# Altium PCB HORNET-1-IPG.PcbDoc (part 7 of 8)
Units mm, origin at the board's own origin, x right, y up, seen from the top; angles counter-clockwise.
Board outline 91.44 x 90.73 mm, 8 copper layers (TOP, AVERT, AHOR, GND, POWER, DVERT, DHOR, BOT), stack 0.686 mm thick; 726 components, 412 nets, 2077 pads, 2674 vias.
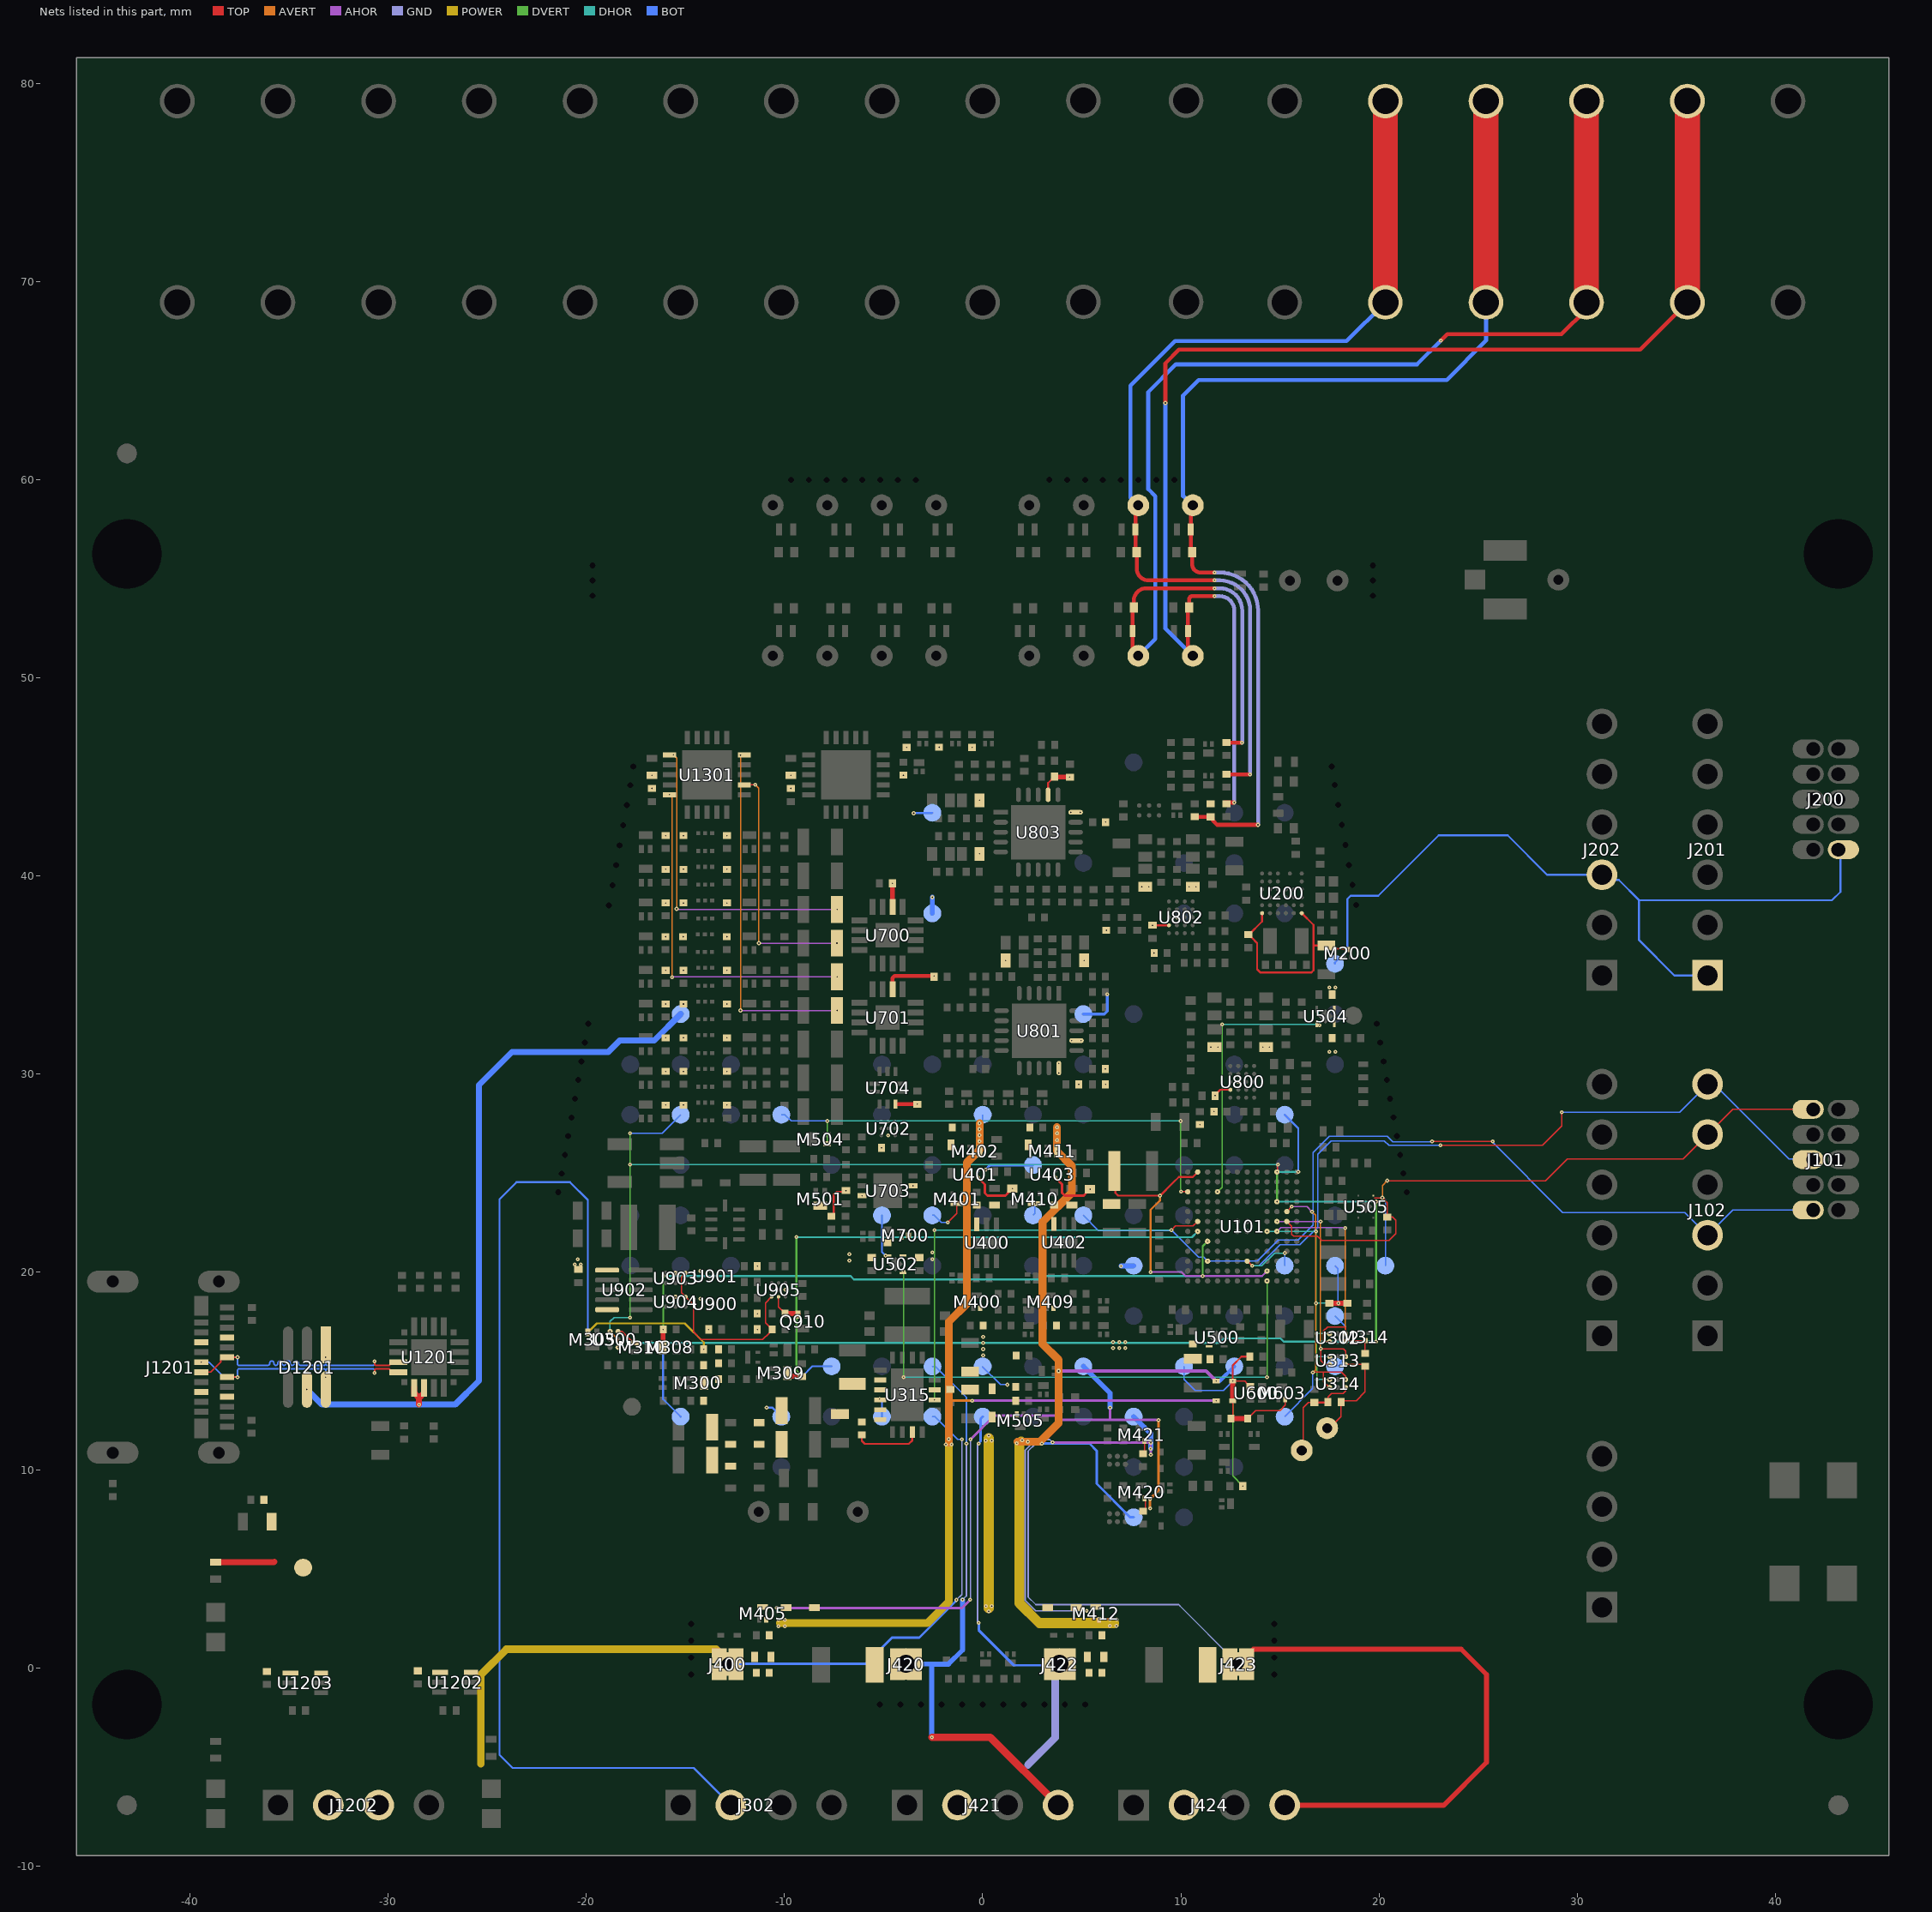
[diagram p13: the nets of this part, all layers, seen from the top]

## Via types
v1: diameter 0.2, hole 0.07, TOP to GND, tented top, 631 vias
v2: diameter 0.2, hole 0.07, GND to BOT, tented bottom, 276 vias
v3: diameter 0.2, hole 0.07, TOP to AHOR, tented top, 245 vias
v4: diameter 0.2, hole 0.07, TOP to BOT, tented top, 216 vias
v5: diameter 0.2, hole 0.07, TOP to POWER, tented top, 159 vias
v6: diameter 0.2, hole 0.07, TOP to DHOR, tented top, 156 vias
v7: diameter 0.2, hole 0.07, DHOR to BOT, tented bottom, 134 vias
v8: diameter 0.2, hole 0.07, TOP to AVERT, tented top, 129 vias
v9: diameter 0.2, hole 0.07, TOP to DVERT, tented top, 111 vias
v10: diameter 0.2, hole 0.07, AVERT to AHOR, 100 vias
v11: diameter 0.2, hole 0.07, DVERT to DHOR, 89 vias
v12: diameter 0.2, hole 0.07, DVERT to DHOR, tented both sides, 86 vias
v13: diameter 0.2, hole 0.07, AHOR to GND, 81 vias
v14: diameter 0.2, hole 0.07, TOP to AVERT, tented both sides, 47 vias
v15: diameter 0.2, hole 0.07, AVERT to AHOR, tented both sides, 39 vias
v16: diameter 0.2/0.2/0.2/0.2 (per signal layer), hole 0.07, TOP to GND, tented both sides, 35 vias
v17: diameter 0.2, hole 0.07, GND to POWER, 28 vias
v18: diameter 0.2, hole 0.07, POWER to DVERT, 22 vias
v19: diameter 0.2, hole 0.07, TOP to BOT, tented both sides, 21 vias
v20: diameter 0.2, hole 0.07, TOP to POWER, tented both sides, 17 vias
v21: diameter 0.2, hole 0.07, TOP to BOT, tented bottom, 12 vias
v22: diameter 0.2, hole 0.07, GND to BOT, tented both sides, 9 vias
v23: diameter 0.2/0.2/0/0.2/0/0/0/0.2 (per signal layer), hole 0.07, TOP to BOT, tented both sides, 7 vias
v24: diameter 0.2/0/0/0/0.2 (per signal layer), hole 0.07, TOP to POWER, tented top, 5 vias
v25: diameter 0.2, hole 0.07, TOP to DVERT, 4 vias
v26: diameter 0.2, hole 0.07, TOP to AHOR, tented both sides, 3 vias
v27: diameter 0.2/0.2/0/0.2/0/0.2/0/0.2 (per signal layer), hole 0.07, TOP to BOT, tented both sides, 2 vias
v28: diameter 0.2, hole 0.07, TOP to GND, tented both sides, 1 vias
v29: diameter 0.2, hole 0.07, AHOR to GND, tented bottom, 1 vias
v30: diameter 0/0 (per signal layer), hole 0.07, GND to POWER, 1 vias
v31: diameter 0.2/0 (per signal layer), hole 0.07, AVERT to AHOR, 1 vias
v32: diameter 0/0 (per signal layer), hole 0.07, AHOR to GND, 1 vias
v33: diameter 0/0 (per signal layer), hole 0.07, POWER to DVERT, 1 vias
v34: diameter 0/0 (per signal layer), hole 0.07, DVERT to DHOR, 1 vias
v35: diameter 0/0.2 (per signal layer), hole 0.07, DHOR to BOT, tented bottom, 1 vias
v36: diameter 0.2, hole 0.07, AVERT to AHOR, tented top, 1 vias
v37: diameter 0.2/0/0/0.2/0/0/0/0.2 (per signal layer), hole 0.07, TOP to BOT, tented both sides, 1 vias

## Nets (pads, with @x,y where several pads share a name; then routed paths per layer and width w, separated by ;. In a path a pad name is that pad's centre, name@x,y a point inside that pad or via, vN(x,y) a via of type N, cw(c..) or ccw(c..) an arc to the next point about the centre after c; other vN are vias at no path point) (continued)
SWDIO: J101.2 J102.3 TP101.1 U101.C10 | length 48.2
  TOP w0.06: v6(22.677,26.586) v6(25.732,26.586) v6(22.677,26.586)
  BOT w0.06: TP101.1@5.08,22.86 5.842,22.098 9.546,22.098 9.6,22.044 10.9,20.744 11.156,20.744 v7(11.35,20.55) 13.858,20.55 14.918,21.61 15.913,21.61 16.669,22.366 16.669,26.03 17.494,26.855 20.425,26.855 20.702,26.578 21.509,26.578 22.669,26.578 v6(22.677,26.586) ; v6(25.732,26.586) 25.732,26.543 29.275,23 35.44,23 J102.3@36.58,21.86 37.85,23.13 J101.2@41.91,23.13
  other v6: 11.35,20.55
  other v7: 22.677,26.586 25.732,26.586
SWO: J101.6 J102.6 TP108.1 U101.C6 | length 39.1
  TOP w0.06: U101.C6@13.35,20.55 13.358,20.55 v7(13.594,20.314) ; v7(23.098,26.391) 28.245,26.391 29.227,27.373 v7(29.227,28.07)
  DHOR w0.06: v7(13.594,20.314) 14.078,20.314 14.719,20.955 v7(15.24,20.955)
  BOT w0.06: v7(13.594,20.314) 13.956,20.314 15.016,21.374 16.011,21.374 16.905,22.269 16.905,25.932 17.592,26.619 20.268,26.619 20.496,26.391 21.509,26.391 21.7,26.391 v7(23.098,26.391) ; TP108.1@15.24,20.32 v7(15.24,20.955) ; v7(29.227,28.07) 35.17,28.07 J102.6@36.58,29.48 J102.6@36.67,29.48 ; J102.6@36.92,29.48 40.7,25.7 41.88,25.7 J101.6@41.91,25.67
  other v6: 13.594,20.314 23.098,26.391 29.227,28.07
SYS_RSTn: J101.10 J102.5 R100.2 TP512.1 U101.G2 U505.1 | length 36.4
  TOP w0.06: U101.G2@15.35,22.55 15.593,22.307 15.593,21.907 15.7,21.8 16.9,21.8 17.1,21.6 20.5,21.6 20.84,21.94 20.84,22.61 20.669,22.78 R100.2@20.417,22.78 20.417,23.499 v10(20.168,23.749) 20.145,23.726 19.764,23.726 ; v8(20.422,24.613) 20.434,24.6 28.4,24.6 29.5,25.7 35.34,25.7 J102.5@36.58,26.94 37.85,28.21 J101.10@41.91,28.21
  AVERT w0.06: v10(20.168,23.749) 20.168,24.359 v8(20.422,24.613)
  BOT w0.06: v10(20.168,23.749) 20.32,23.597 TP512.1@20.32,20.32
  other v7: 20.168,23.749
  other v8: 20.168,23.749
  other v11: 20.168,23.749
  other v13: 20.168,23.749
  other v17: 20.168,23.749
  other v18: 20.168,23.749
TEMP_EN: R336.1 R337.2 TP314.1 U101.F4 U302.A2 U313.A2 U314.A2 | length 16
  TOP w0.254: R337.2@17.5,18.425 v7(17.954,18.425) R336.1@18.4,18.425
  DVERT w0.06: v12(16.83,22.05) v11(16.83,18.425) 16.83,16.938 16.849,16.918 16.83,16.899 16.849,16.879 v11(16.849,15.732) 16.83,15.713 16.866,15.677 v12(16.866,14.573)
  DHOR w0.06: v6(14.35,22.05) v12(16.83,22.05) ; v11(16.83,18.425) v7(17.954,18.425) ; v11(16.849,15.732) v6(17.517,15.732) ; v11@16.849,16.918 16.876,16.891 v11(17.508,16.891) ; v12(16.866,14.573) v6(17.51,14.573)
  BOT w0.06: TP314.1@17.78,20.32 17.927,20.173 17.927,18.452 v7(17.954,18.425)
  other v9: 17.508,16.891 17.954,18.425
  other v11: 16.849,16.891 17.954,18.425
THERM.OFST: TP320.1 U101.H2 U314.A1 U314.C2 | length 15.4
  TOP w0.06: U101.H2@15.35,23.05 15.35,23.054 15.593,23.296 v3(15.593,23.3) ; v6(16.662,14.935) 16.673,14.945 17.196,14.945 ; U314.A1@17.51,14.173 17.5,14.173 17.196,14.478 17.196,14.945 ; v3(18.31,14.573) 18.31,14.729 18.094,14.945 17.196,14.945
  AHOR w0.06: v3(15.593,23.3) 16.367,23.3 v15(16.617,23.05)
  AVERT w0.06: v15(16.617,23.05) 16.796,22.871 16.796,15.069 v6(16.662,14.935)
  BOT w0.06: TP320.1@15.24,12.7 16.662,14.122 v6(16.662,14.935)
  other v7: 16.662,14.935
THERM.OUT: TP319.1 U101.G3 U313.A1 U313.C2 | length 12.2
  TOP w0.06: U313.A1@17.517,15.332 17.498,15.351 17.259,15.351 17.067,15.543 v3(17.067,16.132) 17.086,16.113 18.216,16.113 18.317,16.012 v6(18.317,15.732)
  AHOR w0.06: v3(14.85,22.55) v15(17.05,22.55)
  AVERT w0.06: v3@17.05,16.132 v15(17.05,22.55)
  BOT w0.06: TP319.1@17.78,15.24 17.813,15.273 18.036,15.273 18.036,15.451 v6(18.317,15.732)
  other v7: 18.317,15.732
THERM.REF: TP316.1 U101.F3 U302.A1 U302.C2 | length 12.3
  TOP w0.06: v3(17.508,16.488) 17.292,16.488 17.2,16.58 17.2,17.024 17.401,17.225 18.308,17.225 v6(18.308,16.888)
  AHOR w0.06: v3(14.85,22.05) 15.048,22.248 16.6,22.248 18.195,22.248 18.197,22.247 18.273,22.247 v15(18.3,22.22)
  AVERT w0.06: v6@18.3,16.888 v15(18.3,22.22)
  BOT w0.06: TP316.1@17.78,17.78 18.308,17.252 v6(18.308,16.888)
  other v7: 18.308,16.888
THERM_IN: C304.2 J303.1 R348.2 U313.C1 | length 5.3
  TOP w0.06: J303.1@17.5,12.146 17.528,12.146 18.085,12.703 C304.2@18.085,13.437 18.144,13.496 18.85,13.496 19.3,13.946 R348.2@19.3,15.244 19.212,15.332 U313.C1@18.317,15.332
THERM_OFST_IN: C304.1 J304.1 R356.1 U314.C1 | length 5
  TOP w0.06: J304.1@16.1,11 16.18,11.08 16.18,13.165 16.431,13.416 R356.1@16.739,13.416 ; C304.1@17.425,13.437 17.425,13.703 17.595,13.873 18.188,13.873 18.31,13.995 U314.C1@18.31,14.173
  TOP w0.1: R356.1@16.739,13.416 17.404,13.416 C304.1@17.425,13.437
THERM_REF_IN: M314.3 R348.1 U302.C1 | length 1.8
  TOP w0.06: U302.C1@18.308,16.488 18.352,16.533 18.933,16.533 18.935,16.535 M314.3@19.3,16.535 R348.1@19.3,15.894 R348.1@19.3,15.746
USB_N: D1201.6 J1201.A7 J1201.B7 U1201.5 | length 12
  TOP w0.079: J1201.A7@-38.129,14.699 v19(-37.601,14.699) ; v19(-30.683,14.91) -30.683,15.064 -30.637,15.11 -30.133,15.11 -29.947,15.11 -29.901,15.064 -29.901,15.061 -29.79,14.95 U1201.5@-29.49,14.95
  BOT w0.079: v21(-39.43,15.45) -39.043,15.45 -38.291,14.699 -37.601,14.699 -37.601,15.063 -37.554,15.109 -35.391,15.109 ; -35.39,15.11 -33.196,15.11 -33.15,15.064 ; v21(-33.15,14.7) -33.15,15.064 ; v19(-30.683,14.91) -30.683,15.064 -30.729,15.11 -31.932,15.11 -33.104,15.11 -33.15,15.064
USB_P: D1201.1 J1201.A6 J1201.B6 U1201.4 | length 12.6
  TOP w0.079: J1201.B6@-39.43,14.95 -38.962,14.95 -38.441,15.471 -38.441,15.589 -38.33,15.7 J1201.A6@-38.13,15.7 v19(-37.6,15.7) ; v19(-30.683,15.49) -30.683,15.336 -30.637,15.29 -30.058,15.29 -29.947,15.29 -29.901,15.336 -29.901,15.339 -29.79,15.45 U1201.4@-29.49,15.45
  BOT w0.079: v19(-37.6,15.7) -37.601,15.336 -37.554,15.29 -36.369,15.29 -36.33,15.29 -36.077,15.29 ccw(c-36.077,15.393) -35.974,15.393 -35.974,15.409 cw(c-35.871,15.409) -35.769,15.409 -35.769,15.392 ccw(c-35.666,15.392) -35.563,15.392 -35.563,15.409 cw(c-35.46,15.409) -35.357,15.409 -35.357,15.393 ccw(c-35.254,15.393) -35.151,15.393 -35.151,15.409 cw(c-35.049,15.409) -34.946,15.409 -34.946,15.393 ccw(c-34.843,15.393) -34.74,15.393 -34.74,15.409 cw(c-34.637,15.409) -34.534,15.409 -34.534,15.393 ccw(c-34.431,15.393) -34.431,15.29 -34.226,15.29 -34.186,15.29 -33.196,15.29 -33.15,15.336 ; v21(-33.15,15.7) -33.15,15.336 ; v19(-30.683,15.49) -30.683,15.336 -30.729,15.29 -32.007,15.29 -33.104,15.29 -33.15,15.336
V_UNREG: C501.1 C502.2 C507.2 C510.2 D502.1 D505.1 D506.1 M505.2 R500.2 R501.1 R503.1 R509.1 TP500.1 TP504.1 U500.4 U502.4 U504.4 | length 13.6
  POWER w0.5: 0.305,3.023 0.305,5.778 0.305,11.608 ; 0.307,8.841 0.307,11.597
  BOT w0.06: TP504.1@0,15.24 0,15.207 0.894,14.313 v6(1.242,14.313)
  BOT w0.254: v11(6.985,20.303) 7.603,20.303 TP500.1@7.62,20.32
  other v5: 6.886,16.467 -2.535,20.646 -2.535,20.986
  other v7: 1.242,14.313 6.985,20.303
  other v18: 6.985,20.303
  other v20: 0.307,2.872 0.157,3.135 0.456,3.135 0.156,11.484 0.455,11.484 0.305,11.748 6.582,16.167 6.886,16.167 7.19,16.167 6.582,16.467 7.19,16.467
  other v24: 17.5,31.114 17.801,31.116
VBAT1CHG: M401.3 R402.1 R407.1 TP401.1 U400.3 | length 2.1
  TOP w0.06: v7(-1.753,22.5) -1.3,22.953 M401.3@-1.3,23.45
  BOT w0.06: TP401.1@-2.54,22.86 -2.443,22.86 -2.083,22.5 v7(-1.753,22.5)
  other v6: -1.753,22.5
VBAT1F: D400.1 D600.2 L400.2 M402.3 M405.2 R401.1 R408.1 R429.2 TP403.1 | length 48.3
  TOP w0.06: D400.1@-1.6,26.415 -1.559,26.415 D400.1@-1.433,26.289
  AHOR w0.127: v10(-0.533,13.506) 11.774,13.506 v3(11.78,13.5)
  AVERT w0.127: -1.702,13.485 -1.68,13.506 v10(-0.533,13.506)
  AVERT w0.4: -1.702,11.386 -1.702,13.485 -1.702,17.498 -0.8,18.4 -0.8,25.524 -0.152,26.171 v8(-0.152,26.6) v8(-0.152,26.904) v19(-0.152,27.208) v8@-0.152,27.5
  POWER w0.4: -10.216,2.286 -2.781,2.286 -1.702,3.365 v20@-1.702,11.464
  BOT w0.06: v19(-0.152,27.208) 0,27.361 TP403.1@0,27.94
  other v5: -10.315,2.117 -9.988,2.117 -10.309,2.444 -9.982,2.438
  other v8: -0.165,27.512
  other v20: -1.858,11.3 -1.559,11.3 -1.71,11.563
VBAT1R: J400.1 J400.2 J400.3 J400.4 J421.2 J1202.2 L400.1 pad.4@-12.879,0.221 R429.1 TP402.1 | length 40.9
  GND w0.075: v18(-1.321,3.452) -1.052,3.721 -1.052,3.759 -1.052,5.778 -1.052,10.858 v17@-1.052,11.525
  POWER w0.381: -25.324,-4.816 -25.324,-0.33 -24.031,0.963 -13.447,0.963 -12.923,0.439 pad.4@-12.879,0.221
  BOT w0.075: TP402.1@-2.54,12.7 -2.413,12.7 -1.265,11.552 v7(-1.052,11.552)
  BOT w0.127: pad.4@-12.879,0.221 -5.901,0.221 -4.572,1.549 -3.201,1.549 -1.321,3.43 v18(-1.321,3.452)
  other v7: -1.321,3.452
  other v11: -1.321,3.452 -1.052,11.552
  other v17: -1.321,3.452 -1.052,11.552
  other v18: -1.052,11.552
VBAT1SW: D502.2 M405.3 M420.2 R423.1 TP404.1 | length 36.7
  TOP w0.06: R423.1@8.1,7.925 8.204,8.029 8.204,8.546 M420.2@8.175,8.575
  AHOR w0.127: v8(-10.4,3.048) -1.041,3.048 v13@-0.644,3.445 ; v29@-0.609,11.552 0.59,12.751 3.806,12.751 4.013,12.544 ; 4.015,12.542 4.284,12.542 ; 4.288,12.542 4.557,12.542 ; 4.559,12.544 6.426,12.544 ; v19(6.426,13.157) 6.426,12.544 ; v36(8.874,12.531) 8.861,12.544 6.426,12.544
  AVERT w0.127: v5(8.45,8.079) v5(8.45,8.55) 8.874,8.974 v36(8.874,12.531)
  GND w0.075: v17@-0.64,3.429 -0.614,3.455 v29(-0.614,11.558)
  BOT w0.254: TP404.1@5.08,15.24 6.426,13.894 v19(6.426,13.157)
  other v10: -10.4,3.048
  other v13: -0.641,3.455
  other v17: -0.641,3.455
VBAT2CHG: M410.3 R412.1 R419.1 TP418.1 U402.3 | length 0.7
  TOP w0.06: M410.3@2.6,23.45 2.661,23.45 v17(2.667,23.444)
  BOT w0.06: TP418.1@2.54,22.86 2.64,22.96 2.64,23.417 v17(2.667,23.444)
  other v7: 2.667,23.444
  other v8: 2.667,23.444
  other v10: 2.667,23.444
  other v11: 2.667,23.444
  other v13: 2.667,23.444
  other v18: 2.667,23.444
VBAT2F: D420.1 D601.2 L401.2 M411.3 M412.2 R411.1 R413.1 R430.2 TP420.1 | length 42
  TOP w0.19: v6(11.777,14.5) D601.2@11.78,14.5
  AHOR w0.19: v10(3.83,15.006) 11.271,15.006 v6(11.777,14.5)
  AVERT w0.4: v5@1.751,11.435 2.896,11.435 3.827,12.367 3.827,15.003 v10(3.83,15.006) 3.83,15.564 3.023,16.372 3.023,22.527 4.5,24.004 4.5,25.35 v8(3.75,26.1) v8(3.75,27.305)
  POWER w0.2: v5(1.724,11.355) 1.856,11.486 v5@1.981,11.486 ; v5@2.032,11.435 v5(2.286,11.435)
  POWER w0.5: v5@1.935,11.435 1.854,11.354 1.854,3.291 2.861,2.285 6.624,2.285
  BOT w0.19: v6(11.777,14.5) 11.779,14.502 11.962,14.502 TP420.1@12.7,15.24
  other v5: 6.424,2.143 6.751,2.143 6.43,2.469 6.756,2.464 1.994,11.506
  other v7: 11.777,14.5
  other v8: 3.75,26.655 3.75,27
VBAT2R: J422.1 J422.2 J422.3 J422.4 J424.2 J1202.3 L401.1 pad.4@3.875,0.221 R430.1 TP419.1 | length 20.8
  GND w0.075: v11(-0.201,2.293) -0.261,2.353 -0.261,3.759 -0.261,5.778 -0.261,10.858 -0.261,11.282 v7(-0.201,11.343)
  GND w0.381: 2.286,-4.874 3.658,-3.502 pad.4@3.658,-0.102
  BOT w0.127: v11(-0.201,2.293) -0.201,1.928 1.574,0.153 pad.4@3.572,0.153 ; v7(-0.201,11.343) -0.201,11.362 -0.11,11.453 -0.11,12.59 TP419.1@0,12.7
  other v7: -0.201,2.293
  other v11: -0.201,11.343
  other v17: -0.201,2.293 -0.201,11.343
  other v18: -0.201,2.293 -0.201,11.343
VBAT2SW: D505.2 M412.3 M421.2 R426.1 TP421.1 | length 20.8
  TOP w0.06: R426.1@8.1,10.825 8.175,10.9 M421.2@8.175,11.475
  AHOR w0.127: v13(3.53,11.399) 8.426,11.399 v26@8.48,11.344 ; v26(8.486,10.774) v26(8.486,11.389)
  GND w0.075: v13(3.53,11.399) 3.526,11.399 3.378,11.547 2.678,11.547 2.149,11.018 2.149,10.858 2.149,5.778 2.149,3.759 2.149,3.427 2.679,2.896 v8(5.25,2.896)
  BOT w0.254: TP421.1@7.62,12.7 8.48,11.84 v19(8.48,11.084)
  other v10: 5.25,2.896
  other v13: 5.25,2.896
  other v17: 5.25,2.896
VBUS: C1200.2 C1201.1 C1202.2 C1207.2 D1201.5 J1201.A4 J1201.A9 J1201.B4 J1201.B9 R1205.1 TP603.1 TP1202.1 U1201.7 U1201.8 U1202.1 U1202.6 U1203.1 U1203.6 | length 40.7
  TOP w0.305: R1205.1@-38.7,5.353 -35.77,5.353 -35.738,5.385 ; U1201.7@-28.69,14.19 -28.69,13.895 -28.44,13.645 ; v6(-28.44,13.31) -28.44,13.645 ; U1201.8@-28.19,14.19 -28.19,13.895 -28.44,13.645
  BOT w0.305: v21(-34.1,14.075) -33.335,13.31 v6(-28.44,13.31) -26.619,13.31 -25.425,14.503 -25.425,29.439 -23.757,31.107 -18.894,31.107 -18.312,31.689 -16.571,31.689 TP1202.1@-15.24,33.02
  other v7: -28.44,13.31
VCARR: C300.2 C301.2 D300.2 D305.1 TP302.1 | length 0.9
  BOT w0.1: v18(-10.9,13.162) -10.622,13.162 TP302.1@-10.16,12.7
  other v7: -10.9,13.162
  other v8: -10.9,13.162
  other v10: -10.9,13.162
  other v11: -10.9,13.162
  other v13: -10.9,13.162
  other v17: -10.9,13.162
VCC_CHG: C319.1 R359.1 U315.5 U315.6
VCHG_PGOOD: U101.G11 U315.13 | length 22
  TOP w0.06: v6(9.525,22.11) 9.738,22.323 10.623,22.323 U101.G11@10.85,22.55
  DVERT w0.06: v9(-2.425,13.55) v11(-2.425,22.11)
  DHOR w0.06: v11(-2.425,22.11) 5.08,22.11 v6(9.525,22.11)
VCHG_RAIL: C306.1 C307.2 C317.1 C417.2 C422.2 D506.2 M400.2 M409.2 R400.1 R410.1 TP321.1 U315.14 U401.B1 U403.B1 | length 7.5
  TOP w0.127: U401.B1@-0.227,24.76 0.112,24.421 0.112,23.989 0.245,23.856 1.147,23.856 1.303,24.013 1.303,24.063 1.45,24.209 v5(1.5,24.209) ; U403.B1@3.675,24.76 4.013,24.422 4.013,23.988 4.145,23.856 5.097,23.856 5.222,23.982 5.222,24.032 C422.2@5.369,24.178
  BOT w0.127: v18(0.152,25.171) 0.381,25.4 TP321.1@2.54,25.4
  other v5: 0.025,15.795 0.025,16.107 0.025,16.42 0.025,16.732 5.419,24.178
  other v7: 0.152,25.171
  other v11: 0.152,25.171
VDAC: R929.1 U903.4 U904.4 U905.A1 | length 9.6
  TOP w0.06: U903.4@-15,19.95 -15.2,19.75 -15.2,18.95 U904.4@-15,18.75 -14.6,18.35 -14.6,17.8 -14.6,16.976 -14.224,16.6 -11.1,16.6 -10.77,16.93 -10.625,17.075 R929.1@-10.625,17.1 -10.96,17.435 -10.96,18.44 U905.A1@-10.65,18.75
VDAC_BUF: Q910.2 R930.2 U905.B1 | length 1.7
  TOP w0.06: U905.B1@-10.3,18.75 -10.3,18.25 -10,17.95 R930.2@-10,17.9
  TOP w0.254: R930.2@-9.975,17.9 -9.327,17.9 -9.325,17.898 Q910.2@-9.325,17.85
VDD11: C102.2 L100.1 U101.B4 U101.M11 | length 15.9
  TOP w0.1: L100.1@6.7,25.1 6.7,24 6.845,23.855 v8(8.955,23.855) 9.6,24.5 9.9,24.8 10.6,24.8 U101.M11@10.85,25.05
  AHOR w0.1: v10(8.47,20) 9.6,20 10.03,20 10.235,19.795 14.095,19.795 v3(14.35,20.05)
  AVERT w0.1: v10(8.47,20) 8.47,23.135 8.955,23.621 v8(8.955,23.855)
VDD_BLE: C213.1 C214.2 J200.1 J201.1 J202.3 M200.3 TP200.1 U200.A6 U200.G6 | length 51.1
  TOP w0.1: C214.2@13.4,37.03 C214.2@13.435,37.03 ; U200.G6@14.1,38.112 14.1,37.695 C214.2@13.435,37.03 ; U200.A6@16.1,38.112 16.695,37.517 16.695,36.482 ; v7(18.4,36.265) 18.4,36.318 17.515,36.318 C213.1@17.348,36.486 16.699,36.486 16.695,36.482 ; C214.2@13.435,37.03 13.56,36.905 13.56,36.896 13.853,36.603 13.853,35.278 14.02,35.11 16.58,35.11 16.695,35.225 16.695,36.482
  BOT w0.1: TP200.1@17.78,35.56 17.78,35.618 18.4,36.238 v7(18.4,36.265) 18.4,38.822 18.567,38.989 19.964,38.989 23.012,42.037 26.492,42.037 28.48,40.049 J202.3@31.25,40.049 31.513,39.786 32.096,39.786 33.122,38.76 ; 33.122,36.747 34.9,34.969 J201.1@36.83,34.969 ; 33.122,36.774 33.122,38.76 ; J200.1@43.18,41.319 43.282,41.217 43.282,39.185 42.857,38.76 33.122,38.76
  other v6: 18.4,36.265
VDDA: C511.2 C801.2 C808.2 C815.2 C821.1 D800.1 D801.1 D802.1 D803.1 D808.1 D809.1 D810.1 D811.1 R800.1 R806.2 R815.1 R821.2 R833.1 R835.2 R846.2 R857.2 TP510.1 U504.1 U800.A2 U800.B3 U801.15 U801.17 U802.A2 U802.B3 U803.15 U803.17 | length 5.7
  TOP w0.1: U803.17@3.3,44.091 3.3,44.675 3.475,44.85 3.5,44.85 R846.2@3.625,44.975 ; v5(8.572,37.5) U802.A2@9.4,37.5 ; v5(11.73,28.9) 11.73,28.935 11.995,29.2 U800.A2@12.5,29.2
  TOP w0.152: R846.2@3.625,45 R846.2@3.64,44.985 ; v5(4.385,44.985) C821.1@4.4,44.97
  TOP w0.254: R846.2@3.64,44.985 v5(4.385,44.985)
  POWER w0.152: v7(6.29,34.02) v18@6.29,34.036
  BOT w0.152: TP510.1@5.08,33.02 6.14,33.02 6.29,33.17 v7(6.29,34.02)
  other v5: 10.965,27.441 11.675,28.1 4.847,29.469 6.194,29.475 12.9,29.6 3.845,30.045 6.189,30.251 3.845,30.53 11.515,31.35 11.874,31.35 14.149,31.35 14.466,31.35 4.489,31.682 4.974,31.682 17.5,34.352 17.801,34.352 1.163,35.724 5.118,35.727 8.653,36.1 6.239,37.25 9.8,37.9 8.032,39.45 8.379,39.45 10.426,39.45 10.768,39.45 -0.157,41.107 6.193,42.707 4.444,43.2 4.929,43.2 -0.157,43.808
  other v11: 6.29,34.02
  other v18: 6.29,34.02
VDDA_EN: U101.K9 U504.3 | length 13.8
  TOP w0.06: v9(11.85,24.05) v9(11.85,24.05) ; v6(16.999,32.458) 16.932,32.525 U504.3@16.856,32.525 ; U504.3@16.856,32.525 16.881,32.5 16.942,32.5 16.917,32.525 16.881,32.525 U504.3@16.856,32.525
  DVERT w0.06: v9(11.85,24.05) 12.084,24.287 v12(12.084,32.5)
  DHOR w0.06: v12(12.084,32.5) 16.957,32.5 v6(16.999,32.458)
VDDS: C508.2 C901.2 C905.2 C908.2 M700.2 R703.1 R908.1 R909.1 TP508.1 U502.1 U900.8 U901.8 U902.1 U902.5 U903.5 U904.5 U905.C2 | length 2.2
  TOP w0.1: v7(-4.902,20.828) -4.886,20.844 U502.1@-4.775,20.844
  BOT w0.1: TP508.1@-5.08,22.86 -5.08,21.006 v7(-4.902,20.828)
  other v5: -13.83,17.1 -11.37,17.1 -11.375,17.9 -14.25,18.65 -15.5,18.75 -9.95,19.1 -15.5,19.95 -14.25,20.05 -11.375,20.3 -6.728,20.575 -6.725,20.9